# KiCad board flatlight_rev21.kicad_pcb (continued)
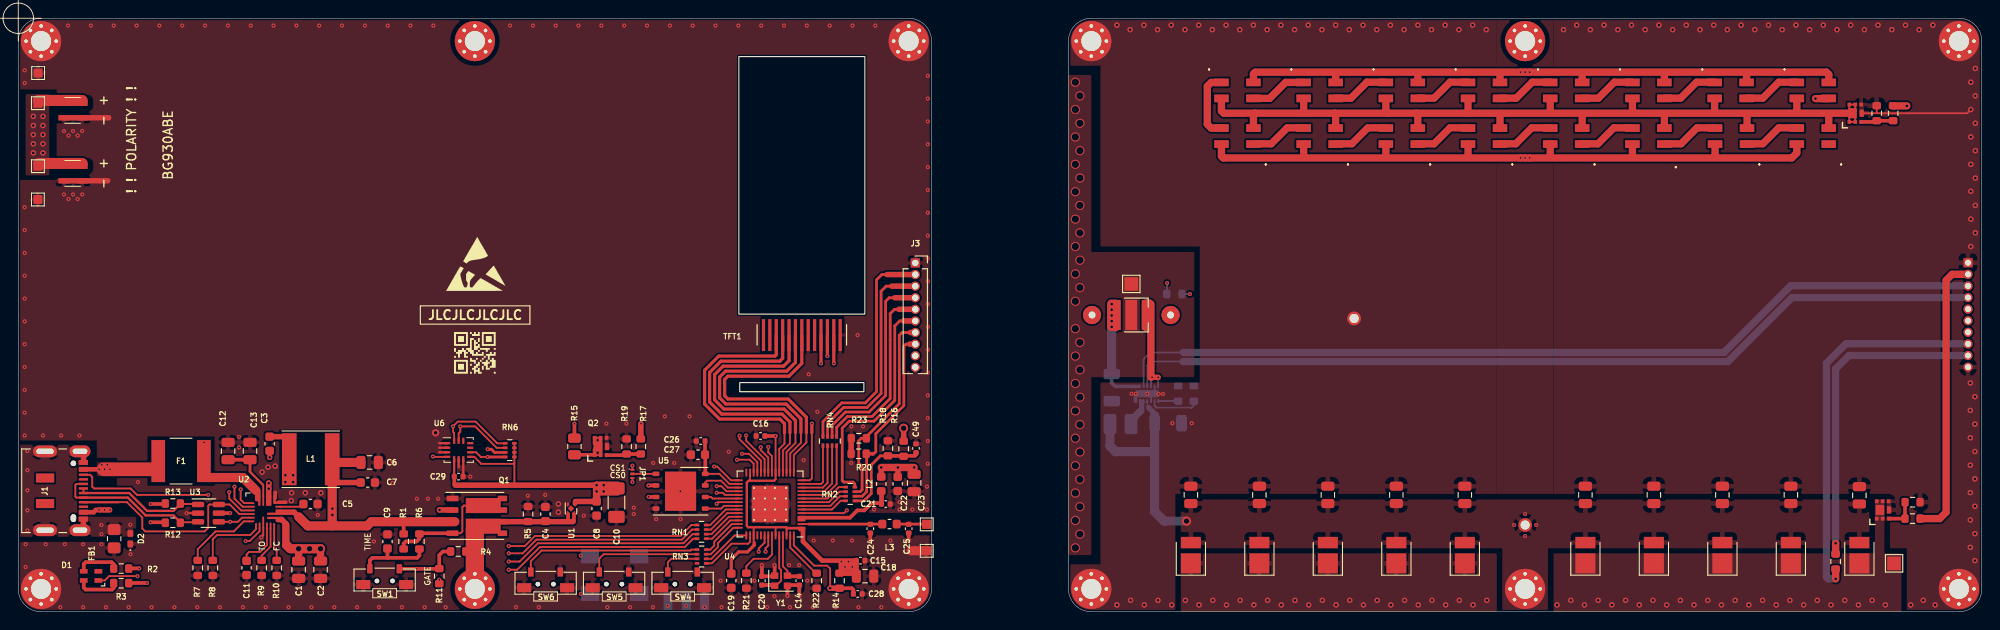
[diagram p0: board, top side]
## Copper pours and planes (outline as drawn; the poured copper is in the pictures) (continued)
GND on In2.Cu: 13.4,7.65 13.4,10.9 14.8,10.9 14.8,1.3 47,1.3 47,0 0,0 0,7.65
GND on In2.Cu: 14.8,10.9 10.8,10.9 10.8,16.85 8.6,16.85 8.6,18.75 0,18.75 0,47.3 14.8,47.3
GND on In2.Cu: 47,57 17.9,57 17.9,50.4 4.2,50.4 4.2,57.2 0,57.2 0,65 47,65
GNDPWR on Top, Bottom, In1.Cu, In2.Cu: 8.1,10.4 12.9,10.4 12.9,8.2 0,8.2 0,18.3 8.1,18.3
+BATT on Top, Bottom, In1.Cu, In2.Cu: 3.4,47.8 0.8,47.8 0.8,56.7 3.4,56.7
+BATT on In2.Cu: 17.4,49.9 17.4,7.5 33.6,7.5 33.6,5.4 15.3,5.4 15.3,47.8 2.9,47.8 2.9,49.9
LS_PWM_PWR on Top: 204.35,6.4 206.2,6.4 206.2,0 168.11,0 168.1,6.4 203.3,6.4 203.3,12.3 204.35,12.3
LS_PWM_PWR on Top, In1.Cu, In2.Cu: 161.9,0 127.3,0 127.3,6.4 161.9,6.4
LS_PWM_PWR on Bottom: 206.2,0 127.3,0 127.3,6.4 206.2,6.4
LS_PWM_PWR on In1.Cu: 161.9,6.4 161.9,0 127.3,0 127.3,6.4
LS_PWM_PWR on In1.Cu, In2.Cu: 206.2,0 168.1,0 168.1,6.4 206.2,6.4
LS_SYS on Top: 202.7,6.95 167.5,6.95 167.5,0 162.5,0 162.5,6.95 127.3,6.95 127.3,12.3 202.7,12.3
LS_SYS on In1.Cu, In2.Cu: 167.5,12.3 202.7,12.3 202.7,6.95 167.5,6.95 167.5,0 162.5,0 162.5,6.95 127.3,6.95 127.3,12.3 162.5,12.3 162.5,65 167.5,65
LX on Bottom, In1.Cu, In2.Cu: 30.48,13.85 28.6,13.85 27.73,13.15 27.13,13.15 27.13,14.22 28.6,15.3 30.48,15.3
PAD on Top, In1.Cu, In2.Cu: 117.5,39.4 128.77,39.4 128.77,25.7 117.5,25.7 117.5,6.2 115,6.2 115,58.8 117.5,58.8
PAD on Bottom: 117.5,6.2 115,6.2 115,58.8 117.5,58.8
SYSOUT on In2.Cu: 52.5,0 47.5,0 47.5,65 52.5,65
Net-(F1-Pad1) on Top: 10.3,14.85 8.6,14.85 8.6,16.35 10.3,16.35
Net-(F1-Pad1) on Bottom, In1.Cu, In2.Cu: 10.3,10.9 8.6,10.9 8.6,16.35 10.3,16.35

## Text on the board
B.Mask: FIRMWARE AND DOCS
F.Mask: FIRMWARE AND DOCS
F.Silkscreen: CS1 | CS0 | TO | FC | TIME | GATE
